# Altium PCB DAC_Sources.PcbDoc (part 6 of 8) (continued)
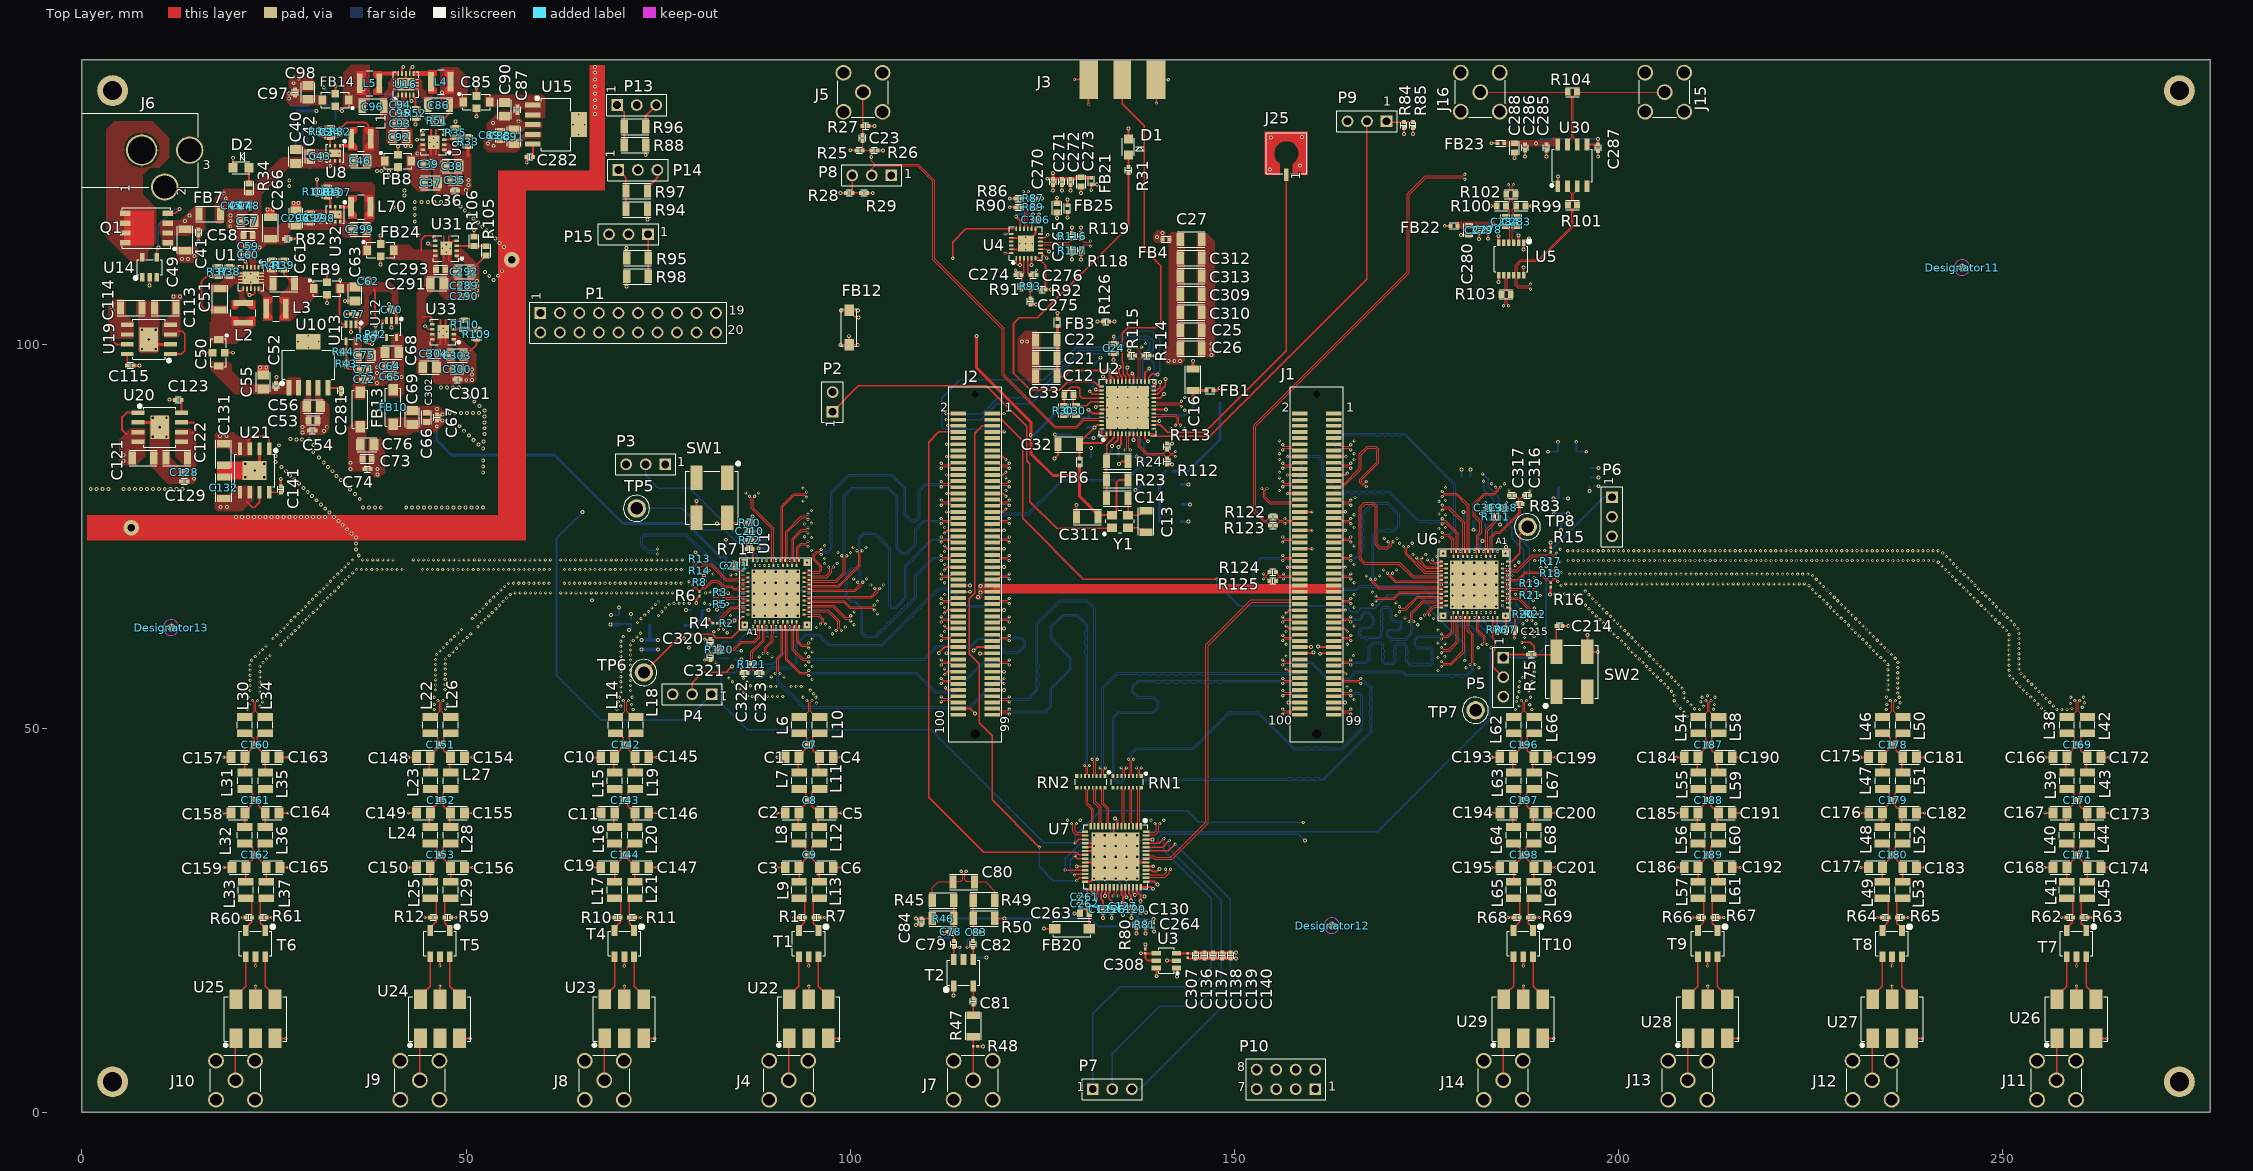
[diagram p0: Top Layer view]
## Nets (pads, with @x,y where several pads share a name; then routed paths per layer and width w, separated by ;. In a path a pad name is that pad's centre, name@x,y a point inside that pad or via, vN(x,y) a via of type N, cw(c..) or ccw(c..) an arc to the next point about the centre after c; other vN are vias at no path point) (continued)
NetC13_1: C13.1 C14.1 Y1.3 | length 4.8
  Top Layer w0.191: C14.1@136.16,79.93 136.16,77.765 Y1.3@136.17,77.755 137.615,77.755 137.736,77.876 137.736,77.901 138.135,78.3 C13.1@138.51,78.3
NetC13_2: C13.2 Y1.2 | length 2.6
  Top Layer w0.191: Y1.2@136.17,76.105 137.475,76.105 137.681,75.899 138.111,75.899 C13.2@138.51,75.5
NetC14_2: C14.2 R23.1 R24.2 U2.3 | length 8.8
  Top Layer w0.191: C14.2@133.36,79.93 133.36,82.31 R23.1@133.35,82.32 133.35,84.69 R24.2@133.37,84.71 133.37,86.89 134.37,87.89 U2.3@134.37,88.33
NetC19_2: C19.2 C144.1 L16.1 L17.2 | length 6
  Top Layer w0.191: L16.1@69.209,35.001 69.692,35.001 70.104,34.588 70.104,34.516 70.215,34.405 70.215,33.528 70.215,32.965 69.827,32.577 69.827,32.357 C19.2@69.347,31.877 69.347,30.034 L17.2@69.336,30.023
NetC23_2: C23.2 J5.1 R27.2 | length 5.6
  Top Layer w0.191: C23.2@101.61,127.23 R27.2@101.61,128.39 101.61,132.714 J5.1@101.67,132.774
NetC30_1: C30.1 R30.2 | length 1.5
  Top Layer w0.191: R30.2@127.75,90.76 C30.1@129.3,90.76
NetC30_2: C30.2 C33.2 U2.41 | length 5.2
  Top Layer w0.191: C33.2@129.06,93.4 129.06,92.2 C30.2@129.3,91.96 130.82,91.96 131.34,92.48 U2.41@132.72,92.48
NetC33_1: C33.1 R30.1 U2.40 | length 8
  Top Layer w0.191: R30.1@127.75,91.96 127.86,92.07 C33.1@127.86,93.4 128.159,93.699 128.159,93.859 128.7,94.4 129.65,94.4 129.87,94.18 129.87,93.29 130.18,92.98 U2.40@132.72,92.98
NetC34_1: C34.1 C46.2 FB8.1 L1.2 R32.2 | length 6
  Top Layer w0.254: C34.1@32.3,128.16 33.55,128.16 R32.2@33.65,128.06 34.46,128.87 36.9,128.87 37.28,128.49 37.28,128.03
NetC34_2: C34.2 R32.1 R36.2 U8.3 | length 4.1
  Top Layer w0.254: R36.2@30.97,127.26 31.27,126.96 C34.2@32.3,126.96 ; U8.3@32.31,125.805 32.31,126.95 C34.2@32.3,126.96 ; R32.1@33.65,127.26 33.35,126.96 C34.2@32.3,126.96
NetC37_2: C37.2 C39.2 FB8.3 U9.5 U9.7@44.375,125.952 U9.8 | length 3.8
  Top Layer w0.191: U9.5@44.375,127.252 v2(44.375,127.785)
  SIG_03 w0.254: v2(43.66,124.806) 44.375,125.521 v2(44.375,127.785)
NetC44_1: C44.1 U9.6 | length 1.6
  Top Layer w0.254: v2(43.607,126.6) U9.6@44.375,126.602
  Bottom Layer w0.254: v2(43.607,126.6) 43.8,126.6 C44.1@44.27,127.07
NetC50_1: C50.1 C51.1 L2.2 R37.2 U11.4 | length 14.3
  Top Layer w0.229: R37.2@17.72,108.83 v2(16.79,108.83) 16.24,108.83 15.57,108.16 15.57,105.01 16.15,104.43 C51.1@17.98,104.43 ; v2(21.27,110.73) 21.51,110.49 U11.4@21.51,110.02
  SIG_03 w0.229: v2(16.79,108.83) 18.69,110.73 v2(21.27,110.73)
NetC50_3: C50.3 C52.1 C55.2 U10.1 U10.2
NetC61_1: C61.1 FB9.1 L3.2 R39.2 | length 2.5
  Top Layer w0.254: R39.2@26.3,109.68 26.3,109.18 C61.1@27.68,107.8
NetC64_2: C64.2 C65.1 C68.2 FB10.1 R40.2 U12.5 | length 6.7
  Top Layer w0.254: R40.2@37.08,100.36 37.44,100 v2(37.79,100)
  SIG_03 w0.254: v2(37.79,100) 41.59,96.2 v2(41.59,95.72)
NetC71_2: C71.2 C72.1 C75.2 FB13.1 R43.2 U13.5 | length 1.9
  Top Layer w0.254: R43.2@34.42,97.06 34.75,96.73 C71.2@36.16,96.73
NetC78_1: C78.1 C79.1 R45.1 R46.2 | length 5.3
  Top Layer w0.191: C79.1@113.48,22.31 113.49,22.32 C78.1@113.49,23.49 R46.2@113.49,25.23 R45.1@113.49,27.59
NetC79_2: C79.2 T2.5 T3.3 | length 4.8
  Top Layer w0.191: T2.5@113.47,19.9 113.48,19.91 C79.2@113.48,21.51 v1(114.27,21.51)
  Bottom Layer w0.191: T3.3@112.975,20.16 113.86,20.16 114.27,20.57 v1(114.27,21.51)
NetC81_1: C81.1 T2.2 | length 1.6
  Top Layer w0.191: T2.2@116.01,16.47 116.02,16.46 C81.1@116.02,14.86
NetC81_2: C81.2 R47.2 | length 1.4
  Top Layer w0.191: R47.2@116.02,12.67 C81.2@116.02,14.06
NetC82_1: C82.1 C83.1 R49.1 R50.2 | length 5.3
  Top Layer w0.191: C82.1@116.01,22.29 C83.1@116.01,23.47 116.03,23.49 R50.2@116.03,25.26 R49.1@116.03,27.62
NetC82_2: C82.2 T2.3 T3.1 | length 4.6
  Top Layer w0.191: v1(115.22,21.49) C82.2@116.01,21.49 T2.3@116.01,19.9
  Bottom Layer w0.191: v1(115.22,21.49) 115.22,22.34 115.58,22.7 T3.1@116.405,22.7
NetC85_1: C85.1 C86.1 L4.2 R51.2 U16.4 | length 7.7
  Top Layer w0.229: U16.4@42.685,132.42 42.685,131.865 v2(42.93,131.62)
  Top Layer w0.254: R51.2@46.88,129.09 47.84,130.05 C86.1@47.84,131.07
  Bottom Layer w0.229: v2(42.93,131.62) 45.72,131.62 v2(46.86,132.76)
NetC85_3: C85.3 C87.1 C90.2 U15.1 U15.2
NetC96_1: C96.1 FB14.1 L5.2 R53.2 | length 1.2
  Bottom Layer w0.254: v2(36.64,133.21) 36.96,133.21 R53.2@37.6,132.57
NetC99_2: C99.2 C100.1 C103.2 FB15.1 R54.2 U17.5 | length 1.4
  Bottom Layer w0.254: 33.02,129.23 33.03,129.24 R54.2@33.03,130.6
NetC106_2: C106.2 C107.1 C110.2 FB16.1 R57.2 U18.5 | length 1.6
  Bottom Layer w0.254: C110.2@29.6,122.79 30.09,123.28 R57.2@31.04,123.28
NetC115_1: C115.1 U19.8 | length 1.5
  Top Layer w0.254: U19.8@5.904,98.705 5.91,98.699 C115.1@5.91,97.23
NetC123_1: C123.1 U20.8 | length 1.7
  Top Layer w0.254: C123.1@12.94,92.75 12.966,92.724 U20.8@12.966,91.085
NetC141_1: C141.1 U21.8 | length 1.5
  Top Layer w0.254: U21.8@24.395,80.724 25.866,80.724 C141.1@25.89,80.7
NetC142_2: C142.2 C145.2 L18.2 L19.1 | length 6.1
  Top Layer w0.191: C145.2@71.865,46.228 71.865,44.283 L19.1@71.901,44.247 ; C145.2@71.992,46.228 71.992,46.378 71.512,46.858 71.442,46.858 71.33,46.969 71.244,47.056 71.244,48.939 71.657,49.352 L18.2@72.13,49.352
NetC143_2: C143.2 C146.2 L19.2 L20.1 | length 6
  Top Layer w0.191: L20.1@71.876,37.135 71.876,38.978 71.865,38.989 71.865,39.139 71.385,39.619 71.301,39.619 71.025,39.895 71.025,41.7 71.438,42.113 L19.2@71.901,42.113
NetC144_2: C144.2 C147.2 L20.2 L21.1 | length 6
  Top Layer w0.191: L20.2@71.876,35.001 71.428,35.001 71.015,34.588 71.015,33.075 71.512,32.578 71.512,32.357 C147.2@71.992,31.877 71.992,30.034 L21.1@72.003,30.023
NetC148_2: C148.2 C151.1 L22.1 L23.2 | length 6.2
  Top Layer w0.191: L23.2@45.234,44.247 C148.2@45.234,46.214 ; L22.1@45.336,49.352 45.819,49.352 46.231,48.939 46.231,48.889 46.333,48.787 C151.1@46.333,47.879 46.333,47.433 45.827,46.927 45.827,46.708 C148.2@45.347,46.228
NetC149_2: C149.2 C152.1 L23.1 L24.2 | length 6.1
  Top Layer w0.191: L24.2@45.209,37.135 45.231,37.157 45.231,38.989 45.711,39.469 45.711,39.681 46.225,40.195 46.225,41.535 46.13,41.63 46.13,41.7 45.717,42.113 L23.1@45.234,42.113
NetC150_2: C150.2 C153.1 L24.1 L25.2 | length 6
  Top Layer w0.191: L24.1@45.209,35.001 45.692,35.001 46.104,34.588 46.104,34.516 46.215,34.405 46.215,33.528 46.215,32.965 45.827,32.577 45.827,32.357 C150.2@45.347,31.877 45.347,30.034 L25.2@45.336,30.023
NetC151_2: C151.2 C154.2 L26.2 L27.1 | length 6.2
  Top Layer w0.191: C154.2@47.865,46.228 47.865,44.283 L27.1@47.901,44.247 ; C154.2@47.992,46.228 47.992,46.378 47.512,46.858 47.362,46.858 47.133,47.087 C151.2@47.133,47.879 47.133,48.939 47.546,49.352 L26.2@48.003,49.352
NetC152_2: C152.2 C155.2 L27.2 L28.1 | length 6
  Top Layer w0.191: L28.1@47.876,37.135 47.876,38.978 47.865,38.989 47.865,39.139 47.385,39.619 47.301,39.619 47.025,39.895 47.025,41.7 47.438,42.113 L27.2@47.901,42.113
NetC153_2: C153.2 C156.2 L28.2 L29.1 | length 6
  Top Layer w0.191: L28.2@47.876,35.001 47.428,35.001 47.015,34.588 47.015,33.075 47.512,32.578 47.512,32.357 C156.2@47.992,31.877 47.992,30.034 L29.1@48.003,30.023
NetC157_2: C157.2 C160.1 L30.1 L31.2 | length 6.4
  Top Layer w0.191: L30.1@21.209,49.352 21.692,49.352 22.38,48.664 22.38,48.044 C160.1@22.215,47.879 22.215,47.445 21.7,46.93 21.7,46.708 C157.2@21.22,46.228 21.234,46.214 L31.2@21.234,44.247
NetC158_2: C158.2 C161.1 L31.1 L32.2 | length 6.1
  Top Layer w0.191: L32.2@21.209,37.135 21.231,37.157 C158.2@21.231,38.989 21.711,39.469 21.711,39.681 22.225,40.195 22.225,41.535 22.13,41.63 22.13,41.7 21.717,42.113 L31.1@21.234,42.113
NetC159_2: C159.2 C162.1 L32.1 L33.2 | length 6
  Top Layer w0.191: L32.1@21.209,35.001 21.692,35.001 22.104,34.588 22.104,34.516 22.215,34.405 C162.1@22.215,33.528 22.215,32.965 21.827,32.577 21.827,32.357 C159.2@21.347,31.877 21.347,30.034 L33.2@21.336,30.023
NetC160_2: C160.2 C163.2 L34.2 L35.1 | length 6.2
  Top Layer w0.191: 22.85,48.155 22.85,48.044 C160.2@23.015,47.879 23.015,47.295 23.385,46.925 23.385,46.708 C163.2@23.865,46.228 23.865,44.283 L35.1@23.901,44.247 ; 22.85,48.155 22.85,48.809 23.393,49.352 L34.2@23.876,49.352
NetC161_2: C161.2 C164.2 L35.2 L36.1 | length 6
  Top Layer w0.191: L36.1@23.876,37.135 23.876,38.978 C164.2@23.865,38.989 23.865,39.139 23.385,39.619 23.301,39.619 23.025,39.895 23.025,41.7 23.438,42.113 L35.2@23.901,42.113
NetC162_2: C162.2 C165.2 L36.2 L37.1 | length 6
  Top Layer w0.191: L36.2@23.876,35.001 23.428,35.001 23.015,34.588 23.015,33.075 23.512,32.578 23.512,32.357 C165.2@23.992,31.877 23.992,30.034 L37.1@24.003,30.023
NetC166_2: C166.2 C169.1 L38.1 L39.2 | length 6.2
  Top Layer w0.191: L39.2@258.234,44.247 C166.2@258.234,46.214 ; C166.2@258.347,46.228 258.827,46.708 258.827,46.927 259.339,47.439 259.339,48.801 259.263,48.877 259.263,48.939 258.85,49.352 L38.1@258.367,49.352
NetC167_2: C167.2 C170.1 L39.1 L40.2 | length 6.1
  Top Layer w0.191: L40.2@258.209,37.135 258.231,37.157 258.231,38.989 258.711,39.469 258.711,39.681 259.225,40.195 259.225,41.535 259.13,41.63 259.13,41.7 258.717,42.113 L39.1@258.234,42.113
NetC168_2: C168.2 C171.1 L40.1 L41.2 | length 6
  Top Layer w0.191: L40.1@258.209,35.001 258.692,35.001 259.104,34.588 259.104,34.516 259.215,34.405 259.215,33.528 259.215,32.965 258.827,32.577 258.827,32.357 C168.2@258.347,31.877 258.347,30.034 L41.2@258.336,30.023
NetC169_2: C169.2 C172.2 L42.2 L43.1 | length 6.2
  Top Layer w0.191: C172.2@260.865,46.228 260.865,44.283 L43.1@260.901,44.247 ; C172.2@260.992,46.228 260.992,46.378 260.512,46.858 260.362,46.858 260.139,47.081 C169.2@260.139,47.879 260.139,48.828 260.139,48.939 260.552,49.352 L42.2@261.034,49.352
NetC170_2: C170.2 C173.2 L43.2 L44.1 | length 6
  Top Layer w0.191: L44.1@260.876,37.135 260.876,38.978 260.865,38.989 260.865,39.139 260.385,39.619 260.301,39.619 260.025,39.895 260.025,41.7 260.438,42.113 L43.2@260.901,42.113
NetC171_2: C171.2 C174.2 L44.2 L45.1 | length 6
  Top Layer w0.191: L44.2@260.876,35.001 260.428,35.001 260.015,34.588 260.015,33.075 260.512,32.578 260.512,32.357 C174.2@260.992,31.877 260.992,30.034 L45.1@261.003,30.023
NetC175_2: C175.2 C178.1 L46.1 L47.2 | length 6.2
  Top Layer w0.191: C175.2@234.22,46.228 234.234,46.214 L47.2@234.234,44.247 ; C175.2@234.347,46.228 234.827,46.708 234.827,46.927 235.339,47.439 235.339,48.801 235.263,48.877 235.263,48.939 234.85,49.352 L46.1@234.367,49.352
NetC176_2: C176.2 C179.1 L47.1 L48.2 | length 6.1
  Top Layer w0.191: L48.2@234.209,37.135 234.231,37.157 234.231,38.989 234.711,39.469 234.711,39.681 235.225,40.195 235.225,41.535 235.13,41.63 235.13,41.7 234.717,42.113 L47.1@234.234,42.113
NetC177_2: C177.2 C180.1 L48.1 L49.2 | length 6
  Top Layer w0.191: L48.1@234.209,35.001 234.692,35.001 235.104,34.588 235.104,34.516 235.215,34.405 235.215,33.528 235.215,32.965 234.827,32.577 234.827,32.357 C177.2@234.347,31.877 234.347,30.034 L49.2@234.336,30.023
NetC178_2: C178.2 C181.2 L50.2 L51.1 | length 6.2
  Top Layer w0.191: C181.2@236.865,46.228 236.865,44.283 L51.1@236.901,44.247 ; C181.2@236.992,46.228 236.992,46.378 236.512,46.858 236.362,46.858 236.139,47.081 C178.2@236.139,47.879 236.139,48.828 236.139,48.939 236.552,49.352 L50.2@237.034,49.352
NetC179_2: C179.2 C182.2 L51.2 L52.1 | length 6
  Top Layer w0.191: L52.1@236.876,37.135 236.876,38.978 236.865,38.989 236.865,39.139 236.385,39.619 236.301,39.619 236.025,39.895 236.025,41.7 236.438,42.113 L51.2@236.901,42.113
NetC180_2: C180.2 C183.2 L52.2 L53.1 | length 6
  Top Layer w0.191: L52.2@236.876,35.001 236.428,35.001 236.015,34.588 236.015,33.075 236.512,32.578 236.512,32.357 C183.2@236.992,31.877 236.992,30.034 L53.1@237.003,30.023
NetC184_2: C184.2 C187.1 L54.1 L55.2 | length 6.2
  Top Layer w0.191: C184.2@210.22,46.228 210.234,46.214 L55.2@210.234,44.247 ; C184.2@210.347,46.228 210.827,46.708 210.827,46.927 211.339,47.439 211.339,48.801 211.263,48.877 211.263,48.939 210.85,49.352 L54.1@210.367,49.352
NetC185_2: C185.2 C188.1 L55.1 L56.2 | length 6.1
  Top Layer w0.191: L56.2@210.209,37.135 210.231,37.157 210.231,38.989 210.711,39.469 210.711,39.681 211.225,40.195 211.225,41.535 211.13,41.63 211.13,41.7 210.717,42.113 L55.1@210.234,42.113
NetC186_2: C186.2 C189.1 L56.1 L57.2 | length 6
  Top Layer w0.191: L56.1@210.209,35.001 210.692,35.001 211.104,34.588 211.104,34.516 211.215,34.405 211.215,33.528 211.215,32.965 210.827,32.577 210.827,32.357 C186.2@210.347,31.877 L57.2@210.347,30.034
NetC187_2: C187.2 C190.2 L58.2 L59.1 | length 6.2
  Top Layer w0.191: C190.2@212.865,46.228 212.865,44.283 L59.1@212.901,44.247 ; C190.2@212.992,46.228 212.992,46.378 212.512,46.858 212.362,46.858 212.139,47.081 C187.2@212.139,47.879 212.139,48.828 212.139,48.939 212.552,49.352 L58.2@213.034,49.352
NetC188_2: C188.2 C191.2 L59.2 L60.1 | length 6
  Top Layer w0.191: L60.1@212.876,37.135 212.876,38.978 212.865,38.989 212.865,39.139 212.385,39.619 212.301,39.619 212.025,39.895 212.025,41.7 212.438,42.113 L59.2@212.901,42.113
NetC189_2: C189.2 C192.2 L60.2 L61.1 | length 6
  Top Layer w0.191: L60.2@212.876,35.001 212.428,35.001 212.015,34.588 212.015,33.075 212.512,32.578 212.512,32.357 C192.2@212.992,31.877 L61.1@212.992,30.034
NetC193_2: C193.2 C196.1 L62.1 L63.2 | length 6.2
  Top Layer w0.191: C193.2@186.22,46.228 186.234,46.214 L63.2@186.234,44.247 ; C193.2@186.347,46.228 186.827,46.708 186.827,46.927 187.339,47.439 187.339,48.801 187.263,48.877 187.263,48.939 186.85,49.352 L62.1@186.367,49.352
NetC194_2: C194.2 C197.1 L63.1 L64.2 | length 6.1
  Top Layer w0.191: L64.2@186.209,37.135 186.231,37.157 186.231,38.989 186.711,39.469 186.711,39.681 187.225,40.195 187.225,41.535 187.13,41.63 187.13,41.7 186.717,42.113 L63.1@186.234,42.113
NetC195_2: C195.2 C198.1 L64.1 L65.2 | length 6
  Top Layer w0.191: L64.1@186.209,35.001 186.692,35.001 187.104,34.588 187.104,34.516 187.215,34.405 187.215,33.528 187.215,32.965 186.827,32.577 186.827,32.357 C195.2@186.347,31.877 186.347,30.034 L65.2@186.336,30.023
NetC196_2: C196.2 C199.2 L66.2 L67.1 | length 6.2
  Top Layer w0.191: C199.2@188.865,46.228 188.865,44.283 L67.1@188.901,44.247 ; C199.2@188.992,46.228 188.992,46.378 188.512,46.858 188.362,46.858 188.139,47.081 C196.2@188.139,47.879 188.139,48.828 188.139,48.939 188.552,49.352 L66.2@189.034,49.352
NetC197_2: C197.2 C200.2 L67.2 L68.1 | length 6
  Top Layer w0.191: L68.1@188.876,37.135 188.876,38.978 188.865,38.989 188.865,39.139 188.385,39.619 188.301,39.619 188.025,39.895 188.025,41.7 188.438,42.113 L67.2@188.901,42.113
NetC198_2: C198.2 C201.2 L68.2 L69.1 | length 6
  Top Layer w0.191: L68.2@188.876,35.001 188.428,35.001 188.015,34.588 188.015,33.075 188.512,32.578 188.512,32.357 C201.2@188.992,31.877 188.992,30.034 L69.1@189.003,30.023
NetC210_1: C210.1 R70.1 SW1.2 U1.B30 | length 14.4
  Top Layer w0.191: v2(82.67,76.64) 83.253,76.64 SW1.2@84,77.388 84.618,76.77 R70.1@86.51,76.77 C210.1@86.51,75.63
  SIG_03 w0.152: v2(82.67,76.64) 82.67,74.35 86.2,70.82 86.97,70.82 87.318,71.168 v3(87.63,71.168)
NetC212_1: C212.1 R73.2 | length 1.3
  Bottom Layer w0.191: R73.2@83.02,59.13 84.03,59.13 C212.1@84.2,58.96
NetC213_1: C213.1 R73.1 R74.2 | length 3.4
  Bottom Layer w0.191: C213.1@84.18,60.1 C213.1@84.19,60.09 84.03,59.93 R73.1@83.02,59.93 83.02,60.77 83.49,61.24 R74.2@84.18,61.24
NetC214_1: C214.1 R75.1 SW2.2 U6.B30 | length 15.8
  Top Layer w0.191: v1(187.42,61.18) 188.53,61.18 189.04,60.67 R75.1@189.04,59.6 191.57,59.6 SW2.2@191.94,59.97 191.91,60 C214.1@191.91,63.31
  SIG_06 w0.152: v3(183.93,65.05) 183.93,64.3 184.11,64.12 184.11,62.49 185.42,61.18 v1(187.42,61.18)
NetC216_1: C216.1 R78.2 | length 1.2
  Bottom Layer w0.254: C216.1@182.62,76.51 182.73,76.4 R78.2@182.73,75.37
NetC217_1: C217.1 R78.1 R79.2 | length 2.4
  Bottom Layer w0.254: R79.2@183.52,74.22 183.52,75.36 R78.1@183.53,75.37 183.53,76.31 C217.1@183.73,76.51
NetC267_2: C267.2 U2.4 | length 3.8
  Top Layer w0.24: v2(134.07,86.74) 134.87,87.54 U2.4@134.87,88.33
  Bottom Layer w0.254: C267.2@133.17,85.28 134.07,86.18 v2(134.07,86.74)
NetC268_2: C268.2 U2.38 | length 2.4
  Top Layer w0.24: v2(131.96,94.1) 132.033,94.1 132.153,93.98 U2.38@132.72,93.98
  Bottom Layer w0.24: C268.2@131.59,95.56 131.59,94.47 v2(131.96,94.1)
NetC274_2: C274.2 R91.2 U4.3 | length 3.4
  Top Layer w0.191: R91.2@122.3,107.9 C274.2@122.3,109 122.62,109.32 U4.3@122.62,111.19
NetC275_2: C275.2 R91.1 R92.1 R93.2 | length 3.5
  Top Layer w0.191: R91.1@122.3,107.1 122.31,107.11 R92.1@124.62,107.11 ; C275.2@123.44,105.95 R93.2@123.44,107.1
NetC276_2: C276.2 R93.1 U4.4 | length 3.4
  Top Layer w0.191: U4.4@123.12,111.19 123.12,109.32 C276.2@123.44,109 R93.1@123.44,107.9
NetC281_1: C281.1 U10.5 | length 1.7
  Top Layer w0.254: U10.5@32.025,94.32 32.035,94.31 C281.1@33.7,94.31
NetC282_1: C282.1 U15.5 | length 1.7
  Top Layer w0.254: C282.1@58.7,124.37 U15.5@58.7,126.04
NetC291_2: C291.2 C293.2 C302.2 C304.2 FB24.3 U31.5 U31.7@46.02,112.14 U31.8 U33.5 U33.7@45.62,101.265 U33.8 | length 6.2
  Top Layer w0.191: 44.15,112.13 44.15,113.6 44.64,114.09 45.83,114.09 46.02,113.9 U31.5@46.02,113.44 ; 44.34,103.57 45.32,103.57 45.62,103.27 U33.5@45.62,102.565
NetC294_1: C294.1 U31.6 | length 2
  Top Layer w0.191: v2(45.07,113.11) 45.39,112.79 U31.6@46.02,112.79
  Bottom Layer w0.305: v2(45.07,113.11) 45.109,113.149 45.399,113.149 C294.1@45.8,113.55
NetC295_1: C295.1 C299.2 FB24.1 L70.2 R107.2
NetC295_2: C295.2 R107.1 R108.2 U32.3 | length 4.2
  Top Layer w0.305: R108.2@30.59,119.42 30.67,119.34 R107.1@33.25,119.34 ; C295.2@31.91,119.2 32.33,118.78 U32.3@32.33,117.855
NetC305_1: C305.1 U33.6 | length 1.9
  Top Layer w0.191: v2(44.68,102.32) 45.085,101.915 U33.6@45.62,101.915
  Bottom Layer w0.191: v2(44.68,102.32) v2@44.7,102.3
  Bottom Layer w0.254: v2@44.7,102.3 C305.1@45.45,102.3
NetD1_2: D1.2 R31.2 | length 1.6
  Top Layer w0.191: D1.2@136.21,124.61 D1.2@136.22,124.6
  Top Layer w0.254: R31.2@136.22,123.05 D1.2@136.22,124.6
NetD2_2: D2.2 R34.1 | length 2.1
  Top Layer w0.254: D2.2@21.76,122.96 21.78,122.94 R34.1@21.78,120.91
NetJ3_1: J3.1 U2.31 | length 45.7
  Top Layer w0.191: J3.1@135.418,134.41 135.418,131.292 138.29,128.42 138.29,112.37 140.44,110.22 140.44,102.82 139.72,102.1 136.11,102.1 135.418,101.408 135.418,97.622 135.56,97.48 135.56,96.08 135.87,95.77 U2.31@135.87,95.13
NetJ4_1: J4.1 U22.1 | length 5.5
  Top Layer w0.191: J4.1@92,4.191 92,9.586 U22.1@92.066,9.652
NetJ7_1: J7.1 R47.1 R48.2 | length 5.7
  Top Layer w0.191: J7.1@116,4.191 116,8.58 R48.2@116.02,8.6 R47.1@116.02,9.87
NetJ8_1: J8.1 U23.1 | length 5.5
  Top Layer w0.191: J8.1@68,4.191 68,9.586 U23.1@68.066,9.652
NetJ9_1: J9.1 U24.1 | length 5.5
  Top Layer w0.191: J9.1@44,4.191 44,9.586 U24.1@44.066,9.652
NetJ10_1: J10.1 U25.1 | length 5.5
  Top Layer w0.191: J10.1@20,4.191 20,9.586 U25.1@20.066,9.652
NetJ11_1: J11.1 U26.1 | length 5.5
  Top Layer w0.191: J11.1@257,4.191 257,9.586 U26.1@257.066,9.652
NetJ12_1: J12.1 U27.1 | length 5.5
  Top Layer w0.191: J12.1@233,4.191 233,9.586 U27.1@233.066,9.652
NetJ13_1: J13.1 U28.1 | length 5.5
  Top Layer w0.191: J13.1@209,4.191 209,9.586 U28.1@209.066,9.652
NetJ14_1: J14.1 U29.1 | length 5.5
  Top Layer w0.191: J14.1@185,4.191 185,9.586 U29.1@185.066,9.652
NetL1_1: L1.1 U8.1
NetL2_1: L2.1 U11.6
NetL3_1: L3.1 U11.10
NetL4_1: L4.1 U16.6
NetL5_1: L5.1 U16.10
NetL9_1: L9.1 R1.2 T1.2 | length 4.4
  Top Layer w0.191: T1.2@93.336,23.686 93.621,23.971 93.621,24.321 94.117,24.817 R1.2@94.117,25.4 L9.1@94.117,27.713
NetL13_2: L13.2 R7.1 T1.1 | length 5
  Top Layer w0.191: T1.1@95.876,23.686 95.876,24.006 95.591,24.291 95.579,24.291 95.222,24.648 R7.1@95.222,25.4 95.222,27.476 95.635,27.889 L13.2@96.003,27.889
NetL17_1: L17.1 R10.2 T4.2 | length 4.4
  Top Layer w0.191: T4.2@69.336,23.686 69.621,23.971 69.621,24.321 70.117,24.817 R10.2@70.117,25.4 L17.1@70.117,27.713
NetL21_2: L21.2 R11.1 T4.1 | length 5
  Top Layer w0.191: T4.1@71.876,23.686 71.876,24.006 71.591,24.291 71.579,24.291 71.222,24.648 R11.1@71.222,25.4 71.222,27.476 71.635,27.889 L21.2@72.003,27.889
NetL25_1: L25.1 R12.2 T5.2 | length 4.4
  Top Layer w0.191: T5.2@45.336,23.686 45.621,23.971 45.621,24.321 46.117,24.817 R12.2@46.117,25.4 L25.1@46.117,27.713
NetL29_2: L29.2 R59.1 T5.1 | length 5
  Top Layer w0.191: T5.1@47.876,23.686 47.876,24.006 47.591,24.291 47.579,24.291 47.222,24.648 R59.1@47.222,25.4 47.222,27.476 47.635,27.889 L29.2@48.003,27.889
NetL33_1: L33.1 R60.2 T6.2 | length 4.4
  Top Layer w0.191: T6.2@21.336,23.686 21.621,23.971 21.621,24.321 22.117,24.817 R60.2@22.117,25.4 L33.1@22.117,27.713
NetL37_2: L37.2 R61.1 T6.1 | length 5
  Top Layer w0.191: T6.1@23.876,23.686 23.876,24.006 23.591,24.291 23.579,24.291 23.222,24.648 R61.1@23.222,25.4 23.222,27.476 23.635,27.889 L37.2@24.003,27.889
NetL41_1: L41.1 R62.2 T7.2 | length 4.4
  Top Layer w0.191: T7.2@258.336,23.686 258.621,23.971 258.621,24.321 259.117,24.817 R62.2@259.117,25.4 L41.1@259.117,27.713
NetL45_2: L45.2 R63.1 T7.1 | length 5
  Top Layer w0.191: T7.1@260.876,23.686 260.876,24.006 260.591,24.291 260.579,24.291 260.222,24.648 R63.1@260.222,25.4 260.222,27.476 260.635,27.889 L45.2@261.003,27.889
NetL49_1: L49.1 R64.2 T8.2 | length 4.4
  Top Layer w0.191: T8.2@234.336,23.686 234.621,23.971 234.621,24.321 235.117,24.817 R64.2@235.117,25.4 L49.1@235.117,27.713
NetL53_2: L53.2 R65.1 T8.1 | length 5
  Top Layer w0.191: T8.1@236.876,23.686 236.876,24.006 236.591,24.291 236.579,24.291 236.222,24.648 R65.1@236.222,25.4 236.222,27.476 236.635,27.889 L53.2@237.003,27.889
NetL57_1: L57.1 R66.2 T9.2 | length 4.4
  Top Layer w0.191: T9.2@210.336,23.686 210.621,23.971 210.621,24.321 211.117,24.817 R66.2@211.117,25.4 L57.1@211.117,27.713
NetL61_2: L61.2 R67.1 T9.1 | length 5
  Top Layer w0.191: T9.1@212.876,23.686 212.876,24.006 212.591,24.291 212.579,24.291 212.222,24.648 R67.1@212.222,25.4 212.222,27.476 212.635,27.889 L61.2@213.003,27.889
NetL65_1: L65.1 R68.2 T10.2 | length 4.4
  Top Layer w0.191: T10.2@186.336,23.686 186.621,23.971 186.621,24.321 187.117,24.817 R68.2@187.117,25.4 L65.1@187.117,27.713
NetL69_2: L69.2 R69.1 T10.1 | length 4.7
  Top Layer w0.191: L69.2@188.635,27.889 188.222,27.476 R69.1@188.222,25.4 188.222,24.648 188.579,24.291 188.591,24.291 188.876,24.006 T10.1@188.876,23.686
NetL70_1: L70.1 U32.1
NetP2_1: P2.1 Y1.1 | length 50.9
  Top Layer w0.191: P2.1@97.71,91.21 101.06,94.56 117.7,94.56 122.95,89.31 122.95,84.85 123.4,84.4 123.4,79.51 126.86,76.05 134.015,76.05 Y1.1@134.07,76.105
NetP3_2: P3.2 U1.A32 | length 20.9
  Bottom Layer w0.191: P3.2@73.38,84.35 73.38,82.93 75.05,81.26 79.12,81.26 87.93,72.45 v3(87.93,71.89)
NetP4_2: P4.2 U1.B40 | length 23.2
  Top Layer w0.191: P4.2@79.43,54.43 79.43,55.96 80.77,57.3 83.85,57.3 v2(84.61,58.06)
  SIG_03 w0.152: v2(84.61,58.06) 85.228,57.442 89.376,57.442 90.42,58.486 90.42,60.64 89.74,61.32 89.74,62.227 89.487,62.48 87.4,62.48 86.87,63.01 86.87,63.94 86.68,64.13 v3(86.68,64.818)
NetP5_2: P5.2 U6.A32 | length 8.5
  Top Layer w0.191: U6.A32@183.63,64.4 183.63,61.7 183.88,61.45 183.88,60.18 183.7,60 183.7,57.97 P5.2@185.01,56.66
NetP6_2: P6.2 U6.B40 | length 18.6
  SIG_03 w0.152: v3(184.88,71.4) 184.67,71.61 184.67,73.96 185.05,74.34 189.3,74.34 192.3,77.34 198.95,77.34 P6.2@199.15,77.54
NetP8_3: P8.3 R28.1 R29.2 | length 3.4
  Top Layer w0.191: P8.3@100.27,121.96 R28.1@100.27,119.69 R29.2@101.4,119.69
NetP9_1: P9.1 R84.1 R85.2 | length 3.5
  Top Layer w0.191: P9.1@169.8,129.01 169.91,128.9 R84.1@172.06,128.9 R85.2@173.23,128.9
NetP13_1: P13.1 R88.1 R96.2 | length 5.6
  Top Layer w0.191: P13.1@69.67,131.11 70.59,130.19 R96.2@70.59,128.29 R88.1@70.59,125.9
NetP14_1: P14.1 R94.1 R97.2 | length 5.5
  Top Layer w0.191: P14.1@69.83,122.67 70.516,121.984 70.82,121.68 R97.2@70.82,119.93 R94.1@70.82,117.55
NetP15_1: P15.1 R95.1 R98.2 | length 5.5
  Top Layer w0.191: P15.1@73.69,114.29 73.69,111.21 R95.1@73.71,111.19 R98.2@73.71,108.79
NetQ1_4: Q1.4@11.159,117.015 U14.4 | length 9.6
  Top Layer w0.191: U14.4@9.77,111.33 9.77,112.41 v2(9.96,112.6) ; Q1.4@11.159,117.015 12.165,117.015 v2(12.72,117.57)
  Bottom Layer w0.191: v2(9.96,112.6) 9.96,115.44 12.09,117.57 v2(12.72,117.57)
NetR31_1: R31.1 U2.37 | length 46.7
  Top Layer w0.24: U2.37@132.72,94.48 132.409,94.48 131.779,95.11 128.31,95.11 127.25,94.05 123.43,94.05 121.24,96.24 121.24,102.65 122.03,103.44 124.37,103.44 136.22,115.29 R31.1@136.22,122.25
NetR33_1: R33.1 R35.2 U9.3 | length 3.2
  Top Layer w0.254: U9.3@47.175,126.602 48.312,126.602 R35.2@48.65,126.94 R33.1@50.27,126.94
NetR39_1: R39.1 R41.2 U11.1 | length 3.7
  Top Layer w0.254: U11.1@23.01,110.02 23.88,110.89 R41.2@24.77,110.89 26.29,110.89 R39.1@26.3,110.88
NetR40_1: R40.1 R42.2 U12.4 | length 2.7
  Top Layer w0.254: R40.1@37.08,101.16 37.59,101.16 37.89,100.86 R42.2@38.23,100.86 39.64,100.86 U12.4@39.65,100.87
NetR43_1: R43.1 R44.2 U13.4 | length 2.5
  Top Layer w0.254: U13.4@34.39,100.37 34.42,100.34 R43.1@34.42,97.86
NetR53_1: R53.1 R55.2 U16.1 | length 3.5
  Top Layer w0.254: v2(40.33,131.7) 40.887,132.257 41.178,132.257 U16.1@41.185,132.264
  Bottom Layer w0.254: R53.1@38.8,132.57 40.31,132.57 R55.2@40.33,132.59 v2(40.33,131.7)
NetR54_1: R54.1 R56.2 U17.4 | length 2.7
  Bottom Layer w0.254: U17.4@31.61,131.01 31.668,131.068 32.258,131.068 32.538,131.348 32.978,131.348 R54.1@33.03,131.4 R56.2@33.03,132.56
NetR57_1: R57.1 R58.2 U18.4 | length 3
  Bottom Layer w0.254: U18.4@29.36,124.72 30.18,124.72 R58.2@30.75,125.29 31.04,125 R57.1@31.04,124.08
NetR71_2: R71.2 R72.1 | length 1.2
  Top Layer w0.191: R71.2@86.51,73.34 R72.1@86.51,74.5
NetR74_1: R74.1 U1.A1 | length 3.2
  Bottom Layer w0.191: R74.1@84.98,61.24 85.007,61.267 85.379,61.267 v3(87.33,63.218)
NetR76_2: R76.2 R77.1 | length 1.1
  Top Layer w0.191: R76.2@184.2,62.41 R77.1@185.34,62.41
NetR79_1: R79.1 U6.A1 | length 0.9
  Bottom Layer w0.254: R79.1@183.52,73.42 183.94,73 v3(184.23,73)
NetR105_1: R105.1 R106.2 U31.3 | length 3.8
  Top Layer w0.254: U31.3@48.82,112.79 52.58,112.79 R105.1@52.62,112.75
NetR109_1: R109.1 R110.2 U33.3 | length 3
  Top Layer w0.254: U33.3@48.42,101.915 51.365,101.915 R109.1@51.39,101.89
NetT1_3: T1.3 U22.6 | length 6.1
  Top Layer w0.191: U22.6@92.066,14.732 92.066,15.176 92.796,15.907 92.807,15.907 93.336,16.436 T1.3@93.336,20.256
NetT1_5: T1.5 U22.4 | length 6.1
  Top Layer w0.191: T1.5@95.876,20.256 95.876,16.424 96.393,15.907 96.416,15.907 97.146,15.176 U22.4@97.146,14.732
NetT4_3: T4.3 U23.6 | length 6.1
  Top Layer w0.191: U23.6@68.066,14.732 68.066,15.176 68.796,15.907 68.807,15.907 69.336,16.436 T4.3@69.336,20.256
NetT4_5: T4.5 U23.4 | length 6.1
  Top Layer w0.191: T4.5@71.876,20.256 71.876,16.424 72.393,15.907 72.416,15.907 73.146,15.176 U23.4@73.146,14.732
NetT5_3: T5.3 U24.6 | length 6.1
  Top Layer w0.191: U24.6@44.066,14.732 44.066,15.176 44.796,15.907 44.807,15.907 45.336,16.436 T5.3@45.336,20.256
NetT5_5: T5.5 U24.4 | length 6.1
  Top Layer w0.191: T5.5@47.876,20.256 47.876,16.424 48.393,15.907 48.416,15.907 49.146,15.176 U24.4@49.146,14.732
NetT6_3: T6.3 U25.6 | length 6.1
  Top Layer w0.191: U25.6@20.066,14.732 20.066,15.176 20.796,15.907 20.807,15.907 21.336,16.436 T6.3@21.336,20.256
NetT6_5: T6.5 U25.4 | length 6.1
  Top Layer w0.191: T6.5@23.876,20.256 23.876,16.424 24.393,15.907 24.416,15.907 25.146,15.176 U25.4@25.146,14.732
NetT7_3: T7.3 U26.6 | length 6.1
  Top Layer w0.191: U26.6@257.066,14.732 257.066,15.176 257.796,15.907 257.807,15.907 258.336,16.436 T7.3@258.336,20.256
NetT7_5: T7.5 U26.4 | length 6.1
  Top Layer w0.191: T7.5@260.876,20.256 260.876,16.424 261.393,15.907 261.416,15.907 262.146,15.176 U26.4@262.146,14.732
NetT8_3: T8.3 U27.6 | length 6.1
  Top Layer w0.191: U27.6@233.066,14.732 233.066,15.176 233.796,15.907 233.807,15.907 234.336,16.436 T8.3@234.336,20.256